# Altium PCB RFC_MB.PcbDoc (part 31 of 37) (continued)
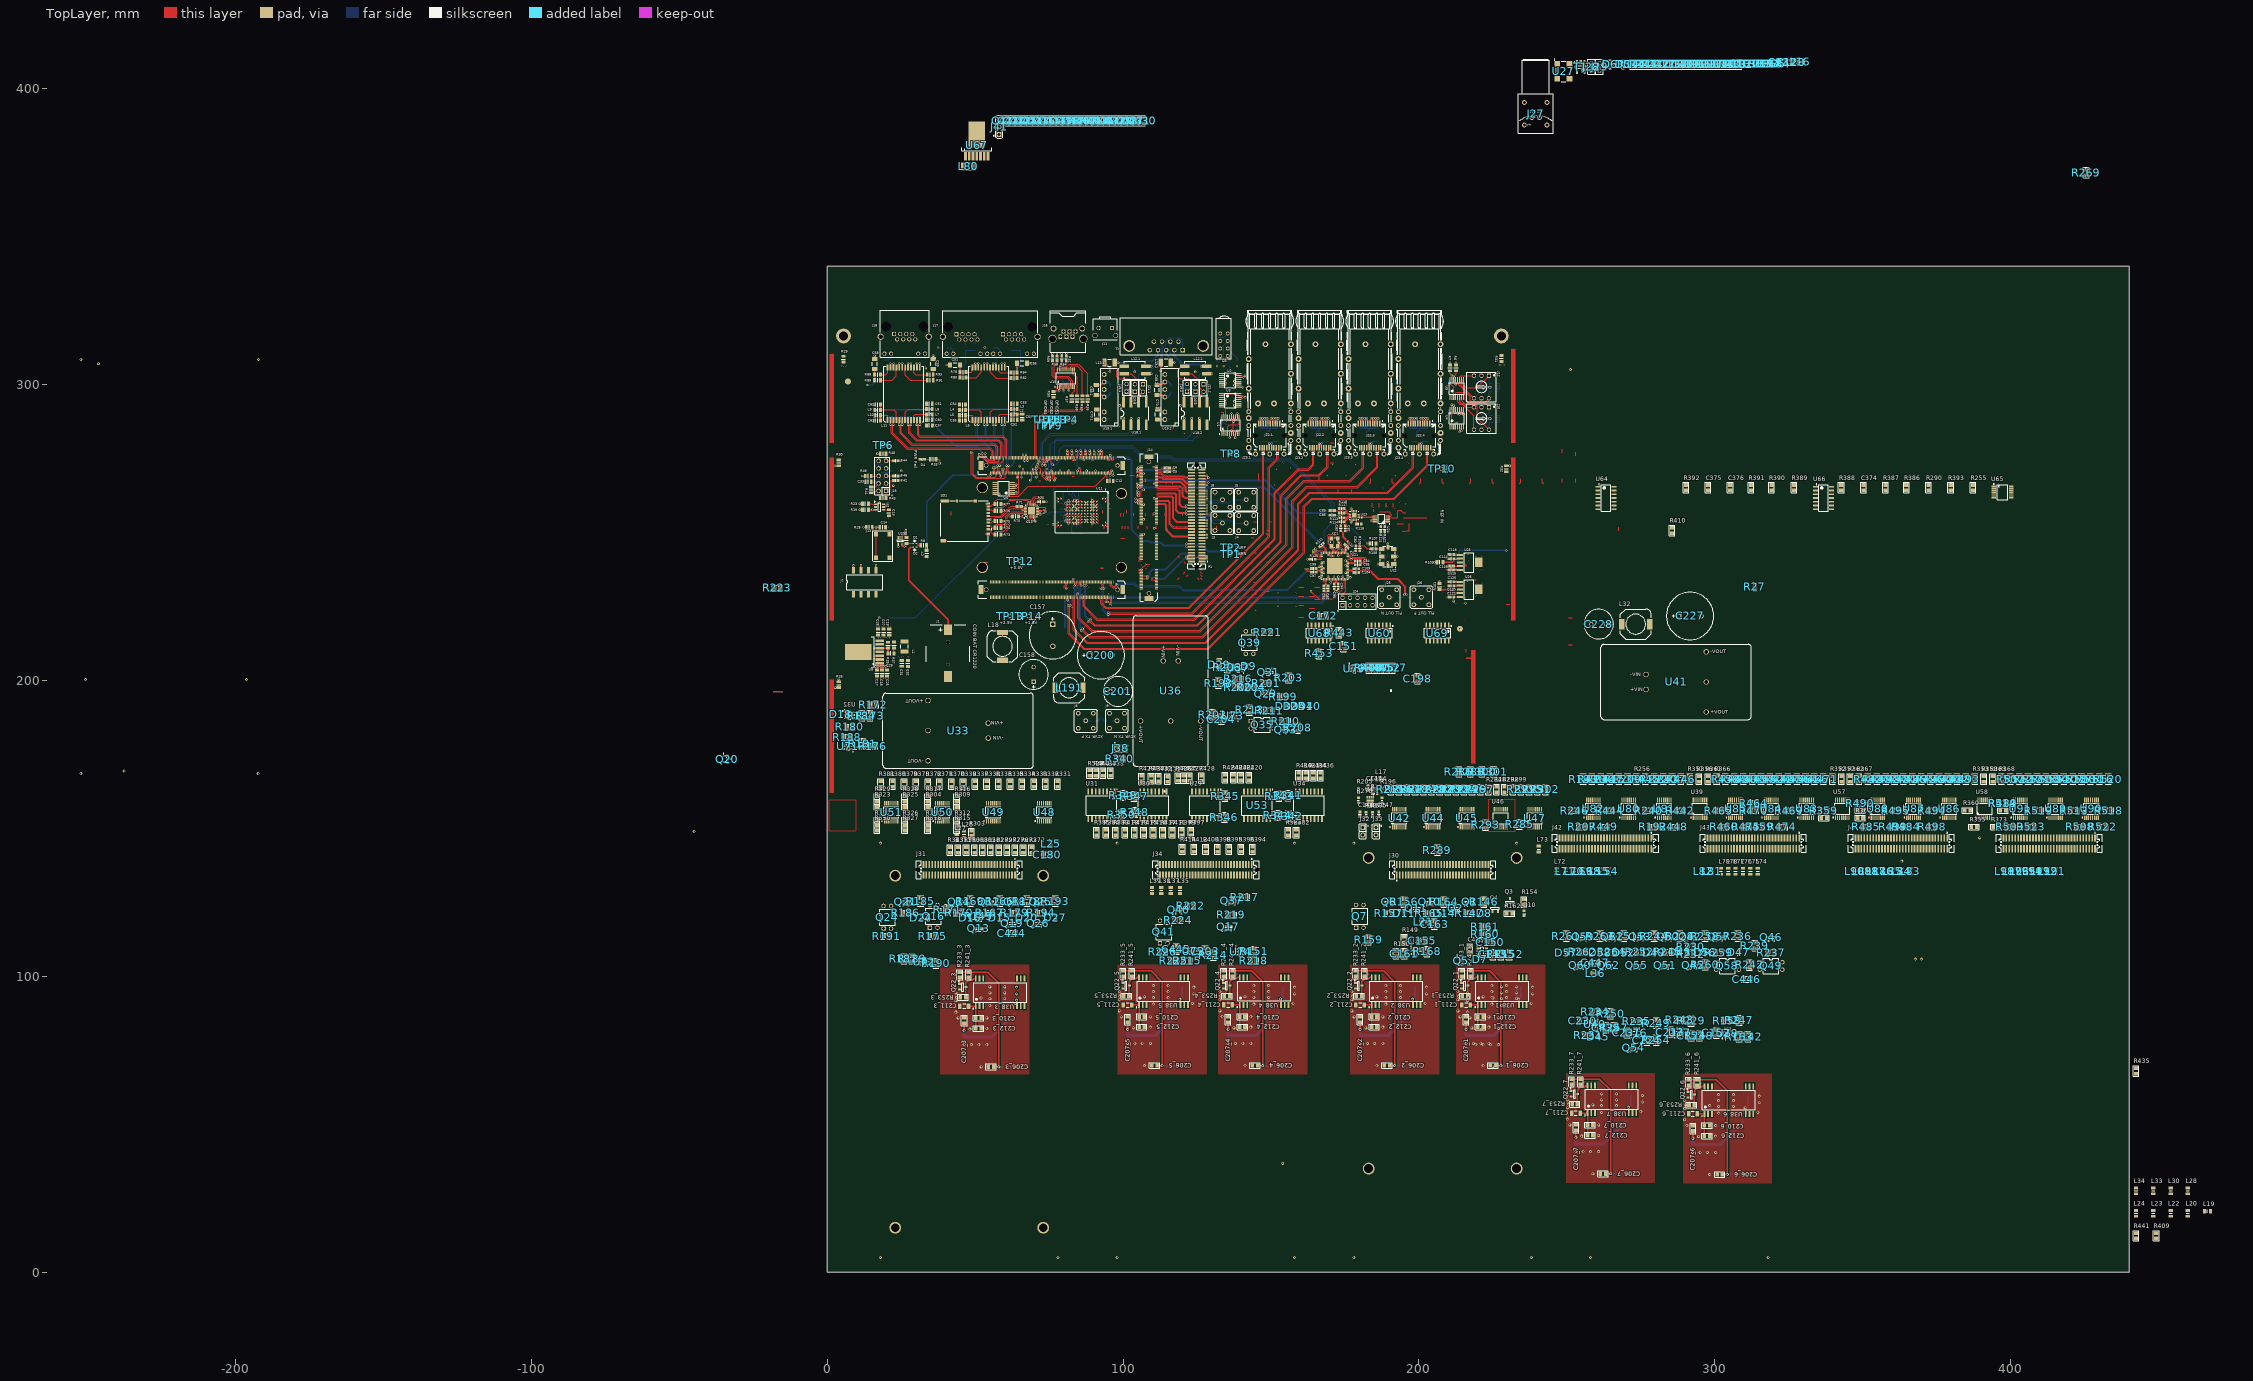
[diagram p0: TopLayer view]
## Components (designator, comment, footprint, x,y, rotation, side; value= is the part's Value field where it differs from the comment) (continued)
C142 "100nF" SMD0805CAP 311.248,80.602 r270 top
C143 "1nF" SMD0805CAP 225.002,106.348 r90 top
C144 "100nF" CAPC1608X87N 184.25,163.75 r270 top
C145 "100nF" CAPC1608X87N 182.75,163.75 r270 top
C146 "100nF" CAPC1608X87N 180,154.75 r270 top
C147 "100nF" CAPC1608X87N 186.4,154.75 r270 top
C148 "100nF" CAPC1608X87N 181.25,159.25 r90 bottom
C149 "10nF" CAPC1608X87N 185.75,160.5 r90 bottom
C150 "100nF" SMD0805CAP 225.102,111.502 r180 top
C151 "100nF" SMD0805CAP 174.502,210.444 r90 top
C152 "100nF" SMD0805CAP 300.502,79.848 r90 top
C153 "1nF" SMD0805CAP 292.002,78.898 r90 top
C155 "100nF" SMD0805CAP 202.152,112.002 r180 top
C156 "1nF" SMD0805CAP 45.352,188.248 r180 bottom
C157 "330uF100V" CAPPR750-1600X2000 76.25,215.25 r270 top value=330uF
C158 "100uF100V" CAPPR500-1000X1250 69.75,202 r90 top value=100uF
C159 "100nF" SMD0805CAP 76.248,214.148 r90 bottom
C160 "100nF" SMD0805CAP 79.498,211.348 r90 bottom
C161 "100nF" SMD0805CAP 194.998,108.652 r270 top
C162 "100nF" SMD0805CAP 186.148,216.002 r0 bottom
C163 "100nF" SMD0805CAP 205.252,116.598 r90 top
C164 "2u2F" SMD0805CAP 72.998,211.648 r90 bottom
C165 "2u2F" SMD0805CAP 57.248,181.898 r90 bottom
C166 "2u2F" SMD0805CAP 32.748,187.148 r90 bottom
C167 "100nF" SMD0805CAP 52.002,183.902 r270 bottom
C168 "1nF" SMD0805CAP 109.748,195.648 r90 bottom
C169 "100nF" SMD0805CAP 93.352,207.748 r180 bottom
C170 "2u2" SMD0805CAP 93.352,204.998 r180 bottom
C171 "2u2F" SMD0805CAP 32.748,176.848 r90 bottom
C172 "1uF" SMD0805CAP 166.598,221.748 r0 top
C174 "100nF" SMD0805CAP 35.502,188.902 r270 bottom
C178 "100nF" SMD0805CAP 35.502,178.852 r270 bottom
C180 "100nF" SMD0805CAP 73.298,141.098 r0 top
C182 "2u2F" SMD0805CAP 120.348,185.252 r0 bottom
C185 "100nF" SMD0805CAP 271.961,160.998 r180 bottom
C188 "100nF" SMD0805CAP 141.602,203.248 r180 bottom
C189 "100nF" SMD0805CAP 168.152,216.248 r180 bottom
C191 "2u2F" SMD0805CAP 122.402,187.498 r180 bottom
C194 "100nF" SMD0805CAP 271.961,157.748 r180 bottom
C197 "1nF" SMD0805CAP 141.352,205.998 r180 bottom
C198 "1nF" SMD0805CAP 199.502,199.598 r90 top
C199 "100nF" SMD0805CAP 109.398,187.252 r0 bottom
C200 "330uF100V" CAPPR750-1600X2000 92.5,208.5 r0 top value=330uF
C201 "100uF100V" CAPPR500-1000X1250 98.25,196.25 r0 top value=100uF
C202 "100nF" SMD0805CAP 111.402,184.998 r180 bottom
C203 "100nF" SMD0805CAP 127.75,107.5 r90 top
C204 "100nF" SMD0805CAP 133.252,185.898 r90 top
C205 "1nF" SMD0805CAP 138.898,114.002 r0 bottom
C206_1 "100nF" SMD0805CAP 224.048,69.798 r0 top (schematic designator C206)
C206_2 "100nF" SMD0805CAP 188.198,69.798 r0 top (schematic designator C206)
C206_3 "100nF" SMD0805CAP 54.398,69.398 r0 top (schematic designator C206)
C206_4 "100nF" SMD0805CAP 143.597,69.821 r0 top (schematic designator C206)
C206_5 "100nF" SMD0805CAP 109.598,69.798 r0 top (schematic designator C206)
C206_6 "100nF" SMD0805CAP 300.648,32.998 r0 top (schematic designator C206)
C206_7 "100nF" SMD0805CAP 261.148,33.248 r0 top (schematic designator C206)
C207_1 "100nF" SMD0805CAP 215.948,86.402 r270 top (schematic designator C207)
C207_2 "100nF" SMD0805CAP 180.098,86.402 r270 top (schematic designator C207)
C207_3 "100nF" SMD0805CAP 46.298,86.002 r270 top (schematic designator C207)
C207_4 "100nF" SMD0805CAP 135.497,86.425 r270 top (schematic designator C207)
C207_5 "100nF" SMD0805CAP 101.498,86.402 r270 top (schematic designator C207)
C207_6 "100nF" SMD0805CAP 292.548,49.602 r270 top (schematic designator C207)
C207_7 "100nF" SMD0805CAP 253.048,49.852 r270 top (schematic designator C207)
C208 "2u2F" SMD0805CAP 298.502,194.652 r270 bottom
C209_1 "2u2F" SMD0805CAP 234.348,94.048 r0 bottom (schematic designator C209)
C209_2 "2u2F" SMD0805CAP 198.498,94.048 r0 bottom (schematic designator C209)
C209_3 "2u2F" SMD0805CAP 64.698,93.648 r0 bottom (schematic designator C209)
C209_4 "2u2F" SMD0805CAP 153.897,94.071 r0 bottom (schematic designator C209)
C209_5 "2u2F" SMD0805CAP 119.898,94.048 r0 bottom (schematic designator C209)
C209_6 "2u2F" SMD0805CAP 310.948,57.248 r0 bottom (schematic designator C209)
C209_7 "2u2F" SMD0805CAP 271.448,57.498 r0 bottom (schematic designator C209)
C210_1 "2u2F" SMD0805CAP 221.752,86.302 r180 top (schematic designator C210)
C210_2 "2u2F" SMD0805CAP 185.902,86.302 r180 top (schematic designator C210)
C210_3 "2u2F" SMD0805CAP 52.102,85.902 r180 top (schematic designator C210)
C210_4 "2u2F" SMD0805CAP 141.301,86.325 r180 top (schematic designator C210)
C210_5 "2u2F" SMD0805CAP 107.302,86.302 r180 top (schematic designator C210)
C210_6 "2u2F" SMD0805CAP 298.352,49.502 r180 top (schematic designator C210)
C210_7 "2u2F" SMD0805CAP 258.852,49.752 r180 top (schematic designator C210)
C211_1 "20uF" CAPC1206 215.95,90.3 r0 top (schematic designator C211)
C211_2 "20uF" CAPC1206 180.1,90.3 r0 top (schematic designator C211)
C211_3 "20uF" CAPC1206 46.3,89.9 r0 top (schematic designator C211)
C211_4 "20uF" CAPC1206 135.499,90.323 r0 top (schematic designator C211)
C211_5 "20uF" CAPC1206 101.5,90.3 r0 top (schematic designator C211)
C211_6 "20uF" CAPC1206 292.55,53.5 r0 top (schematic designator C211)
C211_7 "20uF" CAPC1206 253.05,53.75 r0 top (schematic designator C211)
C212_1 "100nF" SMD0805CAP 221.752,82.802 r180 top (schematic designator C212)
C212_2 "100nF" SMD0805CAP 185.902,82.802 r180 top (schematic designator C212)
C212_3 "100nF" SMD0805CAP 52.102,82.402 r180 top (schematic designator C212)
C212_4 "100nF" SMD0805CAP 141.301,82.825 r180 top (schematic designator C212)
C212_5 "100nF" SMD0805CAP 107.302,82.802 r180 top (schematic designator C212)
C212_6 "100nF" SMD0805CAP 298.352,46.002 r180 top (schematic designator C212)
C212_7 "100nF" SMD0805CAP 258.852,46.252 r180 top (schematic designator C212)
C213 "100nF" SMD0805CAP 284.918,80.148 r90 top
C214 "100nF" SMD0805CAP 8.998,187.148 r90 bottom
C215_1 "100nF" SMD0805CAP 234.348,96.302 r0 bottom (schematic designator C215)
C215_2 "100nF" SMD0805CAP 198.498,96.302 r0 bottom (schematic designator C215)
C215_3 "100nF" SMD0805CAP 64.698,95.902 r0 bottom (schematic designator C215)
C215_4 "100nF" SMD0805CAP 153.897,96.325 r0 bottom (schematic designator C215)
C215_5 "100nF" SMD0805CAP 119.898,96.302 r0 bottom (schematic designator C215)
C215_6 "100nF" SMD0805CAP 310.948,59.502 r0 bottom (schematic designator C215)
C215_7 "100nF" SMD0805CAP 271.448,59.752 r0 bottom (schematic designator C215)
C216 "1nF" SMD0805CAP 285.398,192.752 r0 bottom
C217 "2u2F" SMD0805CAP 295.002,205.652 r270 bottom
C218 "100nF" SMD0805CAP 281.752,224.652 r270 bottom
C219 "2u2F" SMD0805CAP 273.752,200.352 r270 bottom
C220 "100nF" SMD0805CAP 296.08,160.998 r180 bottom
C221 "100nF" SMD0805CAP 296.08,157.748 r180 bottom
C222 "100nF" SMD0805CAP 278.002,224.652 r270 bottom
C223 "1nF" SMD0805CAP 6.198,186.348 r90 bottom
C224 "100nF" SMD0805CAP 276.998,79.352 r270 top
C225 "100nF" SMD0805CAP 294.498,192.598 r90 bottom
C226 "2u2F" SMD0805CAP 277.998,212.848 r90 bottom
C227 "330uF100V" CAPPR750-1600X2000 291.604,221.75 r0 top value=330uF
C228 "100uF100V" CAPPR500-1000X1250 260.75,219 r180 top value=100uF
C229 "100nF" SMD0805CAP 298.248,203.648 r90 bottom
C230 "100nF" SMD0805CAP 254.348,84.998 r0 top
C231 "100nF" SMD0805CAP 270.248,81.902 r270 top
C232 "100nF" SMD0805CAP 193.152,154.498 r180 bottom
C233 "100nF" SMD0805CAP 193.152,151.748 r180 bottom
C239 "100nF" SMD0805CAP 202.648,154.502 r0 bottom
C240 "100nF" SMD0805CAP 204.652,151.748 r180 bottom
C244 "1uF" 0508 183.5,160.25 r270 bottom (schematic designator C154)
C245 "100nF" SMD0805CAP 216.152,151.748 r180 bottom
C246 "100nF" SMD0805CAP 216.152,154.498 r180 bottom
C247 "100nF" SMD0805CAP 227.652,154.498 r180 bottom
C248 "100nF" SMD0805CAP 227.652,151.748 r180 bottom
C249 "100nF" SMD0805CAP 239.152,154.498 r180 bottom
C250 "100nF" SMD0805CAP 239.152,151.748 r180 bottom
C251 "100nF" SMD0805CAP 73.602,153.598 r180 bottom
C252 "100nF" SMD0805CAP 73.602,156.398 r180 bottom
C253 "100nF" SMD0805CAP 56.319,153.598 r180 bottom
C254 "100nF" SMD0805CAP 56.319,156.398 r180 bottom
C255 "100nF" SMD0805CAP 39.035,156.398 r180 bottom
C256 "100nF" SMD0805CAP 39.035,153.598 r180 bottom
C257 "100nF" SMD0805CAP 21.752,153.598 r180 bottom
C258 "100nF" SMD0805CAP 21.752,156.398 r180 bottom
C259 "100nF" SMD0805CAP 158.398,155.502 r0 bottom
C260 "100nF" SMD0805CAP 160.352,160.248 r180 bottom
C261 "100nF" SMD0805CAP 147.648,160.252 r0 bottom
C262 "100nF" SMD0805CAP 147.648,155.502 r0 bottom
C263 "100nF" SMD0805CAP 130.148,160.252 r0 bottom
C264 "100nF" SMD0805CAP 130.148,155.502 r0 bottom
C265 "100nF" SMD0805CAP 107.852,160.248 r180 bottom
C266 "100nF" SMD0805CAP 107.902,155.498 r180 bottom
C267 "100nF" SMD0805CAP 95.148,160.002 r0 bottom
C268 "100nF" SMD0805CAP 97.152,155.498 r180 bottom
C269 "100nF" SMD0805CAP 344.318,160.998 r180 bottom
C270 "100nF" SMD0805CAP 344.318,157.748 r180 bottom
C271 "100nF" SMD0805CAP 392.556,160.998 r180 bottom
C272 "100nF" SMD0805CAP 392.556,157.748 r180 bottom
C323 "100nF" SMD0805CAP 5.502,179.852 r270 bottom
C324 "100nF" SMD0805CAP 8.748,177.648 r90 bottom
C325 "100nF" SMD0805CAP 32.098,108.002 r0 bottom
C326 "100nF" SMD0805CAP 30.098,104.902 r0 bottom
C327 "100nF" SMD0805CAP 139.152,189.998 r180 bottom
C328 "100nF" SMD0805CAP 138.898,111.502 r0 bottom
C329 "100nF" SMD0805CAP 126.152,111.248 r180 bottom
C374 "100nF" SMD0805CAP 350.198,264.123 r90 top
C375 "100nF" SMD0805CAP 297.699,264.123 r90 top
C376 "100nF" SMD0805CAP 305.199,264.123 r90 top
C414 "10uF" SMD0805CAP 76.474,388.194 r90 top
C415 "10uF" SMD0805CAP 74.474,388.194 r90 top
C416 "10uF" SMD0805CAP 72.474,388.194 r90 top
C417 "10uF" SMD0805CAP 82.474,388.194 r90 top
C418 "10uF" SMD0805CAP 80.474,388.194 r90 top
C419 "10uF" SMD0805CAP 78.474,388.194 r90 top
C420 "10uF" SMD0805CAP 62.474,388.194 r90 top
C421 "10uF" SMD0805CAP 60.474,388.194 r90 top
C422 "10uF" SMD0805CAP 64.474,388.194 r90 top
C423 "10uF" SMD0805CAP 70.474,388.194 r90 top
C424 "10uF" SMD0805CAP 68.474,388.194 r90 top
C425 "10uF" SMD0805CAP 66.474,388.194 r90 top
C426 "10uF" SMD0805CAP 84.474,388.194 r90 top
C427 "10uF" SMD0805CAP 102.474,388.194 r90 top
C428 "10uF" SMD0805CAP 100.474,388.194 r90 top
C429 "10uF" SMD0805CAP 98.474,388.194 r90 top
C430 "10uF" SMD0805CAP 106.474,388.194 r90 top
C431 "10uF" SMD0805CAP 104.474,388.194 r90 top
C432 "10uF" SMD0805CAP 96.474,388.194 r90 top
C435 "100nF" SMD0805CAP 117.102,204.248 r180 bottom
C436 "2u2F" SMD0805CAP 117.102,208.748 r180 bottom
C438 "100nF" SMD0805CAP 93.352,210.248 r180 bottom
C439 "1nF" SMD0805CAP 263.252,81.648 r90 top
C440 "100nF" SMD0805CAP 279.498,198.348 r90 bottom
C442 "100nF" SMD0805CAP 205.598,216.002 r0 bottom
C443 "2u2F" SMD0805CAP 217.248,110.152 r270 top
C444 "2u2F" SMD0805CAP 61.398,114.598 r0 top
C445 "2u2F" SMD0805CAP 118.002,108.148 r90 top
C446 "2u2F" SMD0805CAP 311.852,99.002 r180 top
C447 "100nF" SMD0805CAP 260.652,104.502 r180 top
C448 "100nF" SMD0805CAP 284.021,157.748 r180 bottom
C449 "100nF" SMD0805CAP 284.021,160.998 r180 bottom
C450 "100nF" SMD0805CAP 259.902,157.748 r180 bottom
C451 "100nF" SMD0805CAP 259.902,160.998 r180 bottom
C452 "100nF" SMD0805CAP 332.258,157.748 r180 bottom
C453 "100nF" SMD0805CAP 332.258,160.998 r180 bottom
C454 "100nF" SMD0805CAP 320.199,157.748 r180 bottom
C455 "100nF" SMD0805CAP 320.199,160.998 r180 bottom
C456 "100nF" SMD0805CAP 308.14,157.748 r180 bottom
C457 "100nF" SMD0805CAP 308.14,160.998 r180 bottom
C458 "100nF" SMD0805CAP 380.496,160.998 r180 bottom
C459 "100nF" SMD0805CAP 380.496,157.748 r180 bottom
C460 "100nF" SMD0805CAP 368.437,157.748 r180 bottom
C461 "100nF" SMD0805CAP 368.437,160.998 r180 bottom
C462 "100nF" SMD0805CAP 356.377,160.998 r180 bottom
C463 "100nF" SMD0805CAP 356.377,157.748 r180 bottom
C464 "100nF" SMD0805CAP 416.674,157.748 r180 bottom
C465 "100nF" SMD0805CAP 416.674,160.998 r180 bottom
C466 "100nF" SMD0805CAP 428.734,160.998 r180 bottom
C467 "100nF" SMD0805CAP 428.734,157.748 r180 bottom
C468 "100nF" SMD0805CAP 404.615,157.748 r180 bottom
C469 "100nF" SMD0805CAP 404.615,160.998 r180 bottom
D1 "BAS40SL" SOD_923 29.61,246.285 r0 top
D2 "BAS40SL" SOD_923 29.61,245.035 r0 top
D3 "H485CGDL" LED_H485C 131.535,322.31 r0 top
D4 "LB Q39E-N1OO-35-1" LEDC1608N 32.065,274.71 r0 top
D5 "MMBD1503" SOT95P280X115-3N 268.968,408.171 r0 top
D6 "MMBD1503" SOT95P280X115-3N 264.618,408.171 r0 top
D7 "RB521S-30" SODFL1608X65N 220.7,105.75 r0 top
D8 "+7DDS" LED0603 222,121.05 r90 top
D9 "RB521S-30" SODFL1608X65N 142.5,204.75 r270 top
D10 "+12VSL" LED0603 235.5,121.05 r90 top
D11 "-7DDS" LED0603 195,121.5 r270 top
D14 "+3V3DDS" LED0603 208.5,121.05 r90 top
D15 "+18VH" LED0603 58.275,119.525 r90 top
D16 "-18VH" LED0603 48.4,119.525 r90 top
D18 "RB521S-30" SODFL1608X65N 4.5,188.55 r270 top
D20 "+12VH" LED0603 67.5,119.525 r90 top
D24 "-7VH" LED0603 31.8,119.525 r90 top
D27 "+3V3H" LED0603 77.1,119.525 r90 top
D29 "BZV55C3V0" DIOMELF3516N 132.5,205.25 r90 top value=3V0
D32 "+18Vi" LED0603 155.25,191 r90 top
D35 "-18Vi\" LED0603 158,191 r90 top
D40 "+7Vi" LED0603 163,191 r90 top
D41 "-7Vi" LED0603 160.5,191 r90 top
D43 "+18VSL" LED0603 288.25,108.25 r270 top
D45 "RB521S-30" SODFL1608X65N 260.5,79.5 r180 top
D47 "-18VSL" LED0603 308,108.25 r270 top
D49 "+12VSL" LED0603 279.5,107.75 r90 top
D52 "+12VSL" LED0603 269.25,107.75 r90 top
D56 "-7VSL" LED0603 296.75,107.8 r90 top
D57 "+3V3SL" LED0603 249.8,107.75 r90 top
D58 "+5VSL" LED0603 261.25,107.75 r90 top
J1 "BC501SM" BAT_CR1220 40.85,208.9 r90 top
J2 "DRB-9MA" DRB-9MA 120.105,311.6 r0 top
J3 "DNP" LEMO_EPA.00.250.NTN 133.575,253.175 r180 top
J4 "DNP" LEMO_EPA.00.250.NTN 141.625,253.15 r180 top
J5 "DNP" LEMO_EPA.00.250.NTN 141.6,261.075 r0 top
J6 "DNP" LEMO_EPA.00.250.NTN 87.375,186.35 r0 top locked
J7 "A6SN-4104" DIPSW4-A6SN8 8.87,229.075 r90 top
J8 "DNP" LEMO_EPA.00.250.NTN 133.6,261.075 r0 top
J9 "DNP" LEMO_EPA.00.250.NTN 97.95,186.35 r0 top locked
J10 "ERD116XSZ" SW_ECE_ERD116XSZ 223.665,292.32 r270 top
J11 "PTS645VL582LFS" PTS645VL582LFS 93.985,319.085 r180 top
J12 "ERD116XSZ" SW_ECE_ERD116XSZ 223.665,302.97 r270 top
J13 "PTS645SL43SMTR92" PTS645SL43SMTR92 18.785,245.41 r90 top
J14 "3 x FX10A-168P-SV1(71)" Mercury_SA2p 112.925,278.65 r180 top
J15 "IDC-10MC" PLD-10 18.65,269.1 r90 top
J16 "1734723-1@TYCO" RJ14 83.9,317.928 r180 top
J17 "RJHSE-5381-2" AMPH-RJHSE-5381-02_V 62.975,316.095 r180 top
J18 "RJHSE-5381" AMPH-RJHSE-5381_V 26.19,316.135 r180 top
J19.1 "PLS-2" PLS-2#1 101.15,298.825 r90 top (schematic designator J19)
J19.2 "PLS-2" PLS-2#1 121.625,298.825 r90 top (schematic designator J19)
J20.1 "PLS-2" PLS-2#1 103.95,298.8 r90 top (schematic designator J20)
J20.2 "PLS-2" PLS-2#1 124.425,298.8 r90 top (schematic designator J20)
J21.1 "PLS-2" PLS-2#1 106.75,298.8 r270 top (schematic designator J21)
J21.2 "PLS-2" PLS-2#1 127.225,298.8 r270 top (schematic designator J21)
J22.1 "74441-0001" MOLEX_74441-0001 149.58,282.7 r270 top (schematic designator J22)
J22.2 "74441-0001" MOLEX_74441-0001 166.455,282.7 r270 top (schematic designator J22)
J22.3 "74441-0001" MOLEX_74441-0001 183.33,282.7 r270 top (schematic designator J22)
J22.4 "74441-0001" MOLEX_74441-0001 200.205,282.7 r270 top (schematic designator J22)
J23.1 "74754-0101" MOLEX_74737-0111 149.58,282.7 r270 top (schematic designator J23)
J23.2 "74754-0101" MOLEX_74737-0111 166.455,282.7 r270 top (schematic designator J23)
J23.3 "74754-0101" MOLEX_74737-0111 183.33,282.7 r270 top (schematic designator J23)
J23.4 "74754-0101" MOLEX_74737-0111 200.155,282.7 r270 top (schematic designator J23)
J24 "DNP" PLD-10 179.225,226.65 r0 top
J25 "DNP" LEMO_EPA.00.250.NTN 189.9,228.1 r0 top
J26 "DNP" LEMO_EPA.00.250.NTN 200.825,228.1 r0 top
J27 "LEMO_EPG.0B.302.HLN" LEMO_EPG.0B.302.HLN 239.45,390.216 r90 top
J28 "PLS-2" PLS-2#2 258.252,406.059 r90 top
J29 "PLS-2" PLS-2#2 261.046,406.059 r90 top
J30 "PCI_PMC" TYCO_120521-1 190.8,136 r0 top locked
J31 "PCI_PMC" TYCO_120521-1 65.2,136 r180 top locked
J32 "PLS2" PLS2 181,150.25 r270 top
J33 "PLS2" PLS2 185.5,150.29 r270 top
J34 "PCI_PMC" TYCO_120521-1 145.2,136 r180 top locked
J38 "PLS2" PLS2 97.75,177 r0 top
J41 "PLS3TestPwr" PLS3 58.128,384.546 r90 top value=TestPwr
J42 "PCI_PMC" TYCO_120521-1 280.2,144.9 r180 top locked
J43 "PCI_PMC" TYCO_120521-1 330.2,144.9 r180 top locked
J44 "PCI_PMC" TYCO_120521-1 380.2,144.9 r180 top locked
J45 "PCI_PMC" TYCO_120521-1 430.2,144.9 r180 top locked
L1 "LQH32PN4R7NN0L" IND_3225_MURATA_LQH_N 26.15,211.4 r270 top value=4.7uH
L2 "BLM21RK102SN1D" INDC2012N 63.205,289.885 r0 top value=BLM21SN102
L3 "BLM21RK102SN1D" INDC2012N 63.205,291.685 r0 top value=BLM21SN102
L4 "BLM21RK102SN1D" INDC2012N 45.755,291.385 r180 top value=BLM21SN102
L5 "BLM21RK102SN1D" INDC2012N 45.755,289.585 r180 top value=BLM21SN102
L6 "H5008NL" SMD_HX508 49.105,288 r90 top
L7 "DNP" INDC2012N 34.51,289.885 r0 top
L8 "DNP" INDC2012N 34.51,291.685 r0 top
L9 "DNP" INDC2012N 17.06,291.385 r180 top
L10 "DNP" INDC2012N 17.06,289.585 r180 top
L11 "H5008NL" SMD_HX508 20.41,288 r90 top
L12.1 "B82790C0513" SMD_B82790 107.725,306.125 r180 top (schematic designator L12)
L12.2 "B82790C0513" SMD_B82790 128.2,306.125 r180 top (schematic designator L12)
L13.1 "LQH32PN4R7NN0L" IND_3225_MURATA_LQH_N 95.475,307.35 r180 top value=4.7uH (schematic designator L13)
L13.2 "LQH32PN4R7NN0L" IND_3225_MURATA_LQH_N 114.425,307.4 r180 top value=4.7uH (schematic designator L13)
L14.1 "BLM21PG221SN1" INDC2012N 148.655,281.825 r270 bottom (schematic designator L14)
L14.2 "BLM21PG221SN1" INDC2012N 165.53,281.825 r270 bottom (schematic designator L14)
L14.3 "BLM21PG221SN1" INDC2012N 182.405,281.825 r270 bottom (schematic designator L14)
L14.4 "BLM21PG221SN1" INDC2012N 199.28,281.825 r270 bottom (schematic designator L14)
L15.1 "BLM21PG221SN1" INDC2012N 150.53,281.825 r270 bottom (schematic designator L15)
L15.2 "BLM21PG221SN1" INDC2012N 167.405,281.825 r270 bottom (schematic designator L15)
L15.3 "BLM21PG221SN1" INDC2012N 184.28,281.825 r270 bottom (schematic designator L15)
L15.4 "BLM21PG221SN1" INDC2012N 201.155,281.825 r270 bottom (schematic designator L15)
L16 "BLM211k" RESC2012X50N 328.893,408.996 r0 top value=1k
L17 "BLM211k" RESC2012X50N 186.75,166.5 r0 top value=1k
L18 "B82464G410uH" IND_COILCRAFT_MSS1038 59.25,211.5 r270 top value=10uH
L19 "BLM211k" RESC2012X50N 466.449,20.573 r0 top value=1k
L20 "BLM211k" RESC2012X50N 459.849,19.873 r90 top value=1k
L21 "BLM211k" RESC2012X50N 201.5,118.5 r0 top value=1k
L22 "BLM211k" RESC2012X50N 454.049,19.873 r90 top value=1k
L23 "BLM211k" RESC2012X50N 448.149,19.873 r90 top value=1k
L24 "BLM211k" RESC2012X50N 442.349,19.873 r90 top value=1k
L25 "BLM211k" RESC2012X50N 75.5,144.8 r90 top value=1k
L26 "BLM211k" RESC2012X50N 46.2,148 r90 top value=1k
L27 "BLM211k" RESC2012X50N 43.8,146.9 r90 top value=1k
L28 "BLM211k" RESC2012X50N 459.849,27.473 r90 top value=1k
L29_1 "PM5022S68uH" IND_Bourns_PM5022S 232.95,78.8 r90 bottom value=68uH (schematic designator L29)
L29_2 "PM5022S68uH" IND_Bourns_PM5022S 197.1,78.8 r90 bottom value=68uH (schematic designator L29)
L29_3 "PM5022S68uH" IND_Bourns_PM5022S 63.3,78.4 r90 bottom value=68uH (schematic designator L29)
L29_4 "PM5022S68uH" IND_Bourns_PM5022S 152.499,78.823 r90 bottom value=68uH (schematic designator L29)
L29_5 "PM5022S68uH" IND_Bourns_PM5022S 118.5,78.8 r90 bottom value=68uH (schematic designator L29)
L29_6 "PM5022S68uH" IND_Bourns_PM5022S 309.55,42 r90 bottom value=68uH (schematic designator L29)
L29_7 "PM5022S68uH" IND_Bourns_PM5022S 270.05,42.25 r90 bottom value=68uH (schematic designator L29)
L30 "BLM211k" RESC2012X50N 454.049,27.473 r90 top value=1k
L31_1 "B82464G410uH" IND_COILCRAFT_MSS1038 215.95,84.6 r90 bottom value=10uH (schematic designator L31)
L31_2 "B82464G410uH" IND_COILCRAFT_MSS1038 180.1,84.6 r90 bottom value=10uH (schematic designator L31)
L31_3 "B82464G410uH" IND_COILCRAFT_MSS1038 46.3,84.2 r90 bottom value=10uH (schematic designator L31)
L31_4 "B82464G410uH" IND_COILCRAFT_MSS1038 135.499,84.623 r90 bottom value=10uH (schematic designator L31)
L31_5 "B82464G410uH" IND_COILCRAFT_MSS1038 101.5,84.6 r90 bottom value=10uH (schematic designator L31)
L31_6 "B82464G410uH" IND_COILCRAFT_MSS1038 292.55,47.8 r90 bottom value=10uH (schematic designator L31)
L31_7 "B82464G410uH" IND_COILCRAFT_MSS1038 253.05,48.05 r90 bottom value=10uH (schematic designator L31)
L32 "B82464G410uH" IND_COILCRAFT_MSS1038 273.25,219 r180 top value=10uH
L33 "BLM211k" RESC2012X50N 448.149,27.473 r90 top value=1k
L34 "BLM211k" RESC2012X50N 442.349,27.473 r90 top value=1k
L35 "BLM211k" RESC2012X50N 119.25,129 r270 top value=1k
L36 "BLM211k" RESC2012X50N 259.5,101 r0 top value=1k
L37 "BLM211k" RESC2012X50N 116.083,129 r90 top value=1k
L38 "BLM211k" RESC2012X50N 112.917,129 r90 top value=1k
L39 "BLM211k" RESC2012X50N 109.75,129 r90 top value=1k
L54 "BLM211k" RESC2012X50N 264,135.5 r270 top locked value=1k
L55 "BLM211k" RESC2012X50N 261,135.5 r270 top locked value=1k
L68 "BLM211k" RESC2012X50N 258,135.5 r270 top locked value=1k
L69 "BLM211k" RESC2012X50N 255.5,135.5 r270 top locked value=1k
L70 "BLM211k" RESC2012X50N 252.5,135.5 r270 top locked value=1k
L71 "BLM211k" RESC2012X50N 249.5,135.5 r270 top locked value=1k
L72 "BLM211k" RESC2012X50N 246.5,135.5 r270 top locked value=1k
L73 "BLM211k" RESC2012X50N 240.5,143 r90 top value=1k
L74 "BLM211k" RESC2012X50N 314.5,135.5 r270 top locked value=1k
L75 "BLM211k" RESC2012X50N 312,135.5 r270 top locked value=1k
L76 "BLM211k" RESC2012X50N 309.5,135.5 r270 top locked value=1k
L77 "BLM211k" RESC2012X50N 307,135.5 r270 top locked value=1k
L78 "BLM211k" RESC2012X50N 304.5,135.5 r270 top locked value=1k
L79 "BLM211k" RESC2012X50N 302,135.5 r270 top locked value=1k
L80 "LQH32PN4R7NN0L" IND_3225_MURATA_LQH_N 47.675,373.721 r0 top value=4.7uH
L81 "BLM211k" RESC2012X50N 299,135.5 r270 top locked value=1k
L82 "BLM211k" RESC2012X50N 296,135.5 r270 top locked value=1k
L83 "BLM211k" RESC2012X50N 366,135.5 r270 top locked value=1k
L84 "BLM211k" RESC2012X50N 363,135.5 r270 top locked value=1k
L85 "BLM211k" RESC2012X50N 360,135.5 r270 top locked value=1k
L86 "BLM211k" RESC2012X50N 357,135.5 r270 top locked value=1k
L87 "BLM211k" RESC2012X50N 354.5,135.5 r270 top locked value=1k
L88 "BLM211k" RESC2012X50N 352,135.5 r270 top locked value=1k
L89 "BLM211k" RESC2012X50N 349.746,135.5 r270 top locked value=1k
L90 "BLM211k" RESC2012X50N 347.254,135.5 r270 top locked value=1k
L91 "BLM211k" RESC2012X50N 415,135.5 r270 top locked value=1k
L92 "BLM211k" RESC2012X50N 412.5,135.5 r270 top locked value=1k
L93 "BLM211k" RESC2012X50N 410,135.5 r90 top locked value=1k
L94 "BLM211k" RESC2012X50N 407.508,135.5 r90 top locked value=1k
L95 "BLM211k" RESC2012X50N 405.254,135.5 r270 top locked value=1k
L96 "BLM211k" RESC2012X50N 403,135.5 r270 top locked value=1k
L97 "BLM211k" RESC2012X50N 400.5,135.5 r270 top locked value=1k
L98 "BLM211k" RESC2012X50N 398,135.5 r270 top locked value=1k
L191 "B82464G410uH" IND_COILCRAFT_MSS1038 81.75,197.5 r0 top value=10uH
P1 "TYCO_120521-1" TYCO_120521-1 124.9,238.45 r90 top value=DNP
Q1 "AO3401A" SOT95P229X119-3N 217.167,125.15 r90 top
Q2 "AO3400A" SOT95P229X119-3N 212.375,123 r90 top
Q3 "AO3401A" SOT95P229X119-3N 230.75,125.15 r90 top
Q4 "AO3400A" SOT95P229X119-3N 225.75,123 r90 top
Q5 "AO3400A" SOT95P229X119-3N 214.25,105.25 r0 top
Q6 "AO3400A" SOT95P229X119-3N 190,125.15 r90 top
Q7 "817B" DIP4-300 180,120.25 r90 top
Q10 "AO3401A" SOT95P229X119-3N 203.583,125.15 r90 top
Q11 "AO3400A" SOT95P229X119-3N 199,123 r90 top
Q12 "AO3401A" SOT95P229X119-3N 54.775,125.175 r90 top
Q13 "AO3400A" SOT95P229X119-3N 51.275,116.175 r90 top
Q14 "AO3400A" SOT95P229X119-3N 44.6,125.175 r90 top
Q16 "817B" DIP4-300 36,120.25 r90 top
Q17 "AO3400A" SOT95P229X119-3N 135.5,116.75 r90 top
Q18 "AO3401A" SOT95P229X119-3N 63.5,125.2 r90 top
Q19 "AO3400A" SOT95P229X119-3N 62.5,117.9 r90 top
Q20 "AO3400A" SOT95P229X119-3N -33.725,173.4 r0 top
Q21 "AO3400A" SOT95P229X119-3N 26.5,125.175 r90 top
Q22_1 "AO3400A" SOT95P229X119-3N 215.45,96.8 r0 top (schematic designator Q22)
Q22_2 "AO3400A" SOT95P229X119-3N 179.6,96.8 r0 top (schematic designator Q22)
Q22_3 "AO3400A" SOT95P229X119-3N 45.8,96.4 r0 top (schematic designator Q22)
Q22_4 "AO3400A" SOT95P229X119-3N 134.999,96.823 r0 top (schematic designator Q22)
Q22_5 "AO3400A" SOT95P229X119-3N 101,96.8 r0 top (schematic designator Q22)
Q22_6 "AO3400A" SOT95P229X119-3N 292.05,60 r0 top (schematic designator Q22)
Q22_7 "AO3400A" SOT95P229X119-3N 252.55,60.25 r0 top (schematic designator Q22)
Q24 "817B" DIP4-300 20.31,119.95 r90 top
Q25 "AO3401A" SOT95P229X119-3N 72.2,125.2 r90 top
Q26 "AO3400A" SOT95P229X119-3N 71.4,117.9 r90 top
Q29 "AO3401A" SOT95P229X119-3N 148.25,195.5 r270 top
Q31 "AO3400A" SOT95P229X119-3N 149.25,202.75 r270 top
Q33 "AO3400A" SOT95P229X119-3N 155,183.25 r270 top (schematic designator Q32)
Q35 "817B" DIP4-300 147,185 r0 top
Q37 "AO3401A" SOT95P229X119-3N 136.75,125.5 r90 top
Q39 "817B" DIP4-300 142.75,212.75 r270 top
Q40 "AO3400A" SOT95P229X119-3N 118.75,122.5 r90 top
Q41 "817B" DIP4-300 113.75,115 r90 top
Q42 "AO3401A" SOT95P229X119-3N 291.75,113.379 r90 top
Q45 "AO3400A" SOT95P229X119-3N 292.75,103.75 r90 top
Q46 "AO3400A" SOT95P229X119-3N 319.054,113.25 r90 top
Q49 "817B" DIP4-300 319,103.5 r0 top
Q50 "AO3401A" SOT95P229X119-3N 284.25,113.379 r90 top
Q51 "AO3400A" SOT95P229X119-3N 283.187,103.75 r90 top
Q53 "AO3401A" SOT95P229X119-3N 274.75,113.379 r90 top
Q54 "AO3400A" SOT95P229X119-3N 272.5,75.75 r90 top
Q55 "AO3400A" SOT95P229X119-3N 273.625,103.75 r90 top
Q57 "AO3400A" SOT95P229X119-3N 301.5,113.379 r90 top
Q58 "817B" DIP4-300 304.25,103.5 r0 top
Q59 "AO3401A" SOT95P229X119-3N 255.5,113.379 r90 top
Q60 "AO3400A" SOT95P229X119-3N 254.5,103.75 r90 top
Q61 "AO3401A" SOT95P229X119-3N 265.25,113.379 r90 top
Q62 "AO3400A" SOT95P229X119-3N 264.063,103.75 r90 top
R1 "5.1kΩ" RESC2012N 133.95,289.125 r0 bottom value=5.1k?
R2 "5.1kΩ" RESC2012N 211.025,291.5 r0 bottom value=5.1k?
R3 "5.1kΩ" RESC2012N 136.6,286.375 r180 bottom value=5.1k?
R4 "5.1kΩ" RESC2012N 139.15,302.7 r90 bottom value=5.1k?
R5 "5.1kΩ" RESC2012N 139.1,295.925 r90 bottom value=5.1k?
R6 "5.1kΩ" RESC2012N 212.525,305.6 r90 top value=5.1k?
R7 "5.1kΩ" RESC2012N 210.475,305.6 r90 top value=5.1k?
R8 "43kΩ" RESC2012N 32.61,245.635 r180 top value=43k?
R9 "100Ω" RESC1608N 123.525,255.65 r180 bottom value=100?
R10 "5.1kΩ" RESC2012N 211.025,301.55 r0 bottom value=5.1k?
R11 "100Ω" RESC1608N 123.525,257 r180 bottom value=100?
R12 "100Ω" RESC1608N 123.525,258.375 r180 bottom value=100?
R13 "100Ω" RESC1608N 89.825,186.35 r0 bottom locked value=100?
R14 "100Ω" RESC1608N 91.95,185.6 r270 bottom locked value=100?
R15 "100Ω" RESC1608N 123.525,259.75 r180 bottom value=100?
R16 "CAY16-4702F4LF" CAY16-J4 224.725,287.275 r0 bottom value=47k?
R17 "100Ω" RESC1608N 95.45,186.35 r180 bottom locked value=100?
R18 "100Ω" RESC1608N 93.3,185.6 r270 bottom locked value=100?
R19 "10kΩ" RESC2012N 12.925,257.675 r0 top value=10k?
R20 "CAY16-4702F4LF" CAY16-J4 224.725,297.95 r0 bottom value=47k?
R21 "1kΩ" RESC2012N 136.25,306.5 r90 bottom value=1k?
R22 "1kΩ" RESC2012N 138.5,306.5 r90 bottom value=1k?
R23 "51kΩ" RESC2012N 12.925,259.675 r0 top value=51k?
R24 "1kΩ" RESC2012N 134,306.5 r90 bottom value=1k?
R25 "1kΩ" RESC2012N 131.75,306.5 r90 bottom value=1k?
R26 "10MΩ" RESC2012N 3.925,198.55 r270 top value=10M?
R27 "10MΩ" RESC2012N 313.5,231.55 r270 top locked value=10M?
R28 "51kΩ" RESC2012N 14.225,251.725 r0 top value=51k?
R29 "DNP" RESC2012N 5.45,308.55 r270 top
R30 "10MΩ" RESC2012N 3.9,273.5 r270 top value=10M?
R31 "DNP" RESC2012N 227.85,308.775 r270 top
R32 "10MΩ" RESC2012N 229.5,271.525 r90 top value=10M?
R33 "1kΩ" RESC2012N 35.815,274.71 r180 top value=1k?
R34 "1kΩ" RESC2012N 19.6,221.125 r0 bottom value=1k?
R35 "75kΩ" RESC2012N 20.535,211.885 r270 top value=75k?
R36 "DNP" RESC2012N 26.025,211.075 r90 bottom
R37 "1kΩ" RESC2012N 22.56,211.935 r270 top value=1k?
R38 "24kΩ" RESC2012N 17.785,210.76 r270 bottom value=24k?
R39 "22Ω" RESC1608N 71.3,269.8 r0 bottom value=22?
R40 "DNP" RESC1608N 23.16,270.785 r180 bottom